# KiCad board SparkFun_IoT_RedBoard-RP2350_panelized.kicad_pcb (continued)
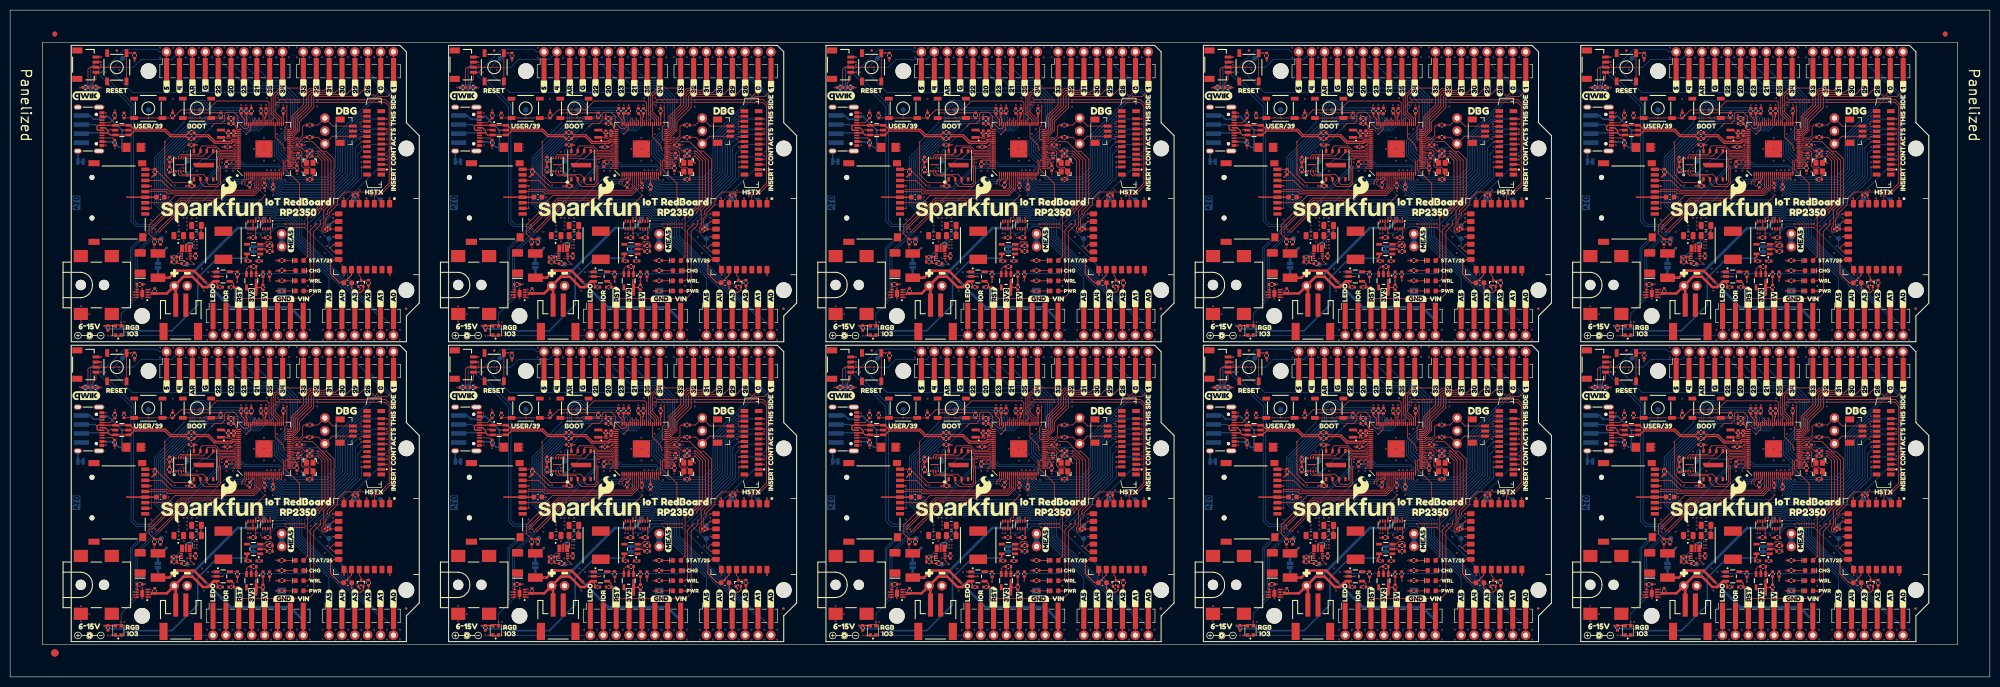
[diagram p0: board, top side]
## Placement (name value [footprint] x y rotation side) (continued)
kibuzzard-67A3F7B2#9  G***  [kibuzzard-67A3F7B2]  293.55 11.36 90 bottom
kibuzzard-67A3F7B2#10  G***  [kibuzzard-67A3F7B2]  293.55 70.48 90 bottom
kibuzzard-67A3F7C3  G***  [kibuzzard-67A3F7C3]  73.02 11.06 90 bottom
kibuzzard-67A3F7C3#2  G***  [kibuzzard-67A3F7C3]  73.02 70.18 90 bottom
kibuzzard-67A3F7C3#3  G***  [kibuzzard-67A3F7C3]  296.1 70.18 90 bottom
kibuzzard-67A3F7C3#4  G***  [kibuzzard-67A3F7C3]  370.46 70.18 90 bottom
kibuzzard-67A3F7C3#5  G***  [kibuzzard-67A3F7C3]  221.74 11.06 90 bottom
kibuzzard-67A3F7C3#6  G***  [kibuzzard-67A3F7C3]  147.38 11.06 90 bottom
kibuzzard-67A3F7C3#7  G***  [kibuzzard-67A3F7C3]  147.38 70.18 90 bottom
kibuzzard-67A3F7C3#8  G***  [kibuzzard-67A3F7C3]  296.1 11.06 90 bottom
kibuzzard-67A3F7C3#9  G***  [kibuzzard-67A3F7C3]  221.74 70.18 90 bottom
kibuzzard-67A3F7C3#10  G***  [kibuzzard-67A3F7C3]  370.46 11.06 90 bottom
kibuzzard-67A3F7D3  G***  [kibuzzard-67A3F7D3]  75.52 11.26 90 bottom
kibuzzard-67A3F7D3#2  G***  [kibuzzard-67A3F7D3]  224.24 70.38 90 bottom
kibuzzard-67A3F7D3#3  G***  [kibuzzard-67A3F7D3]  75.52 70.38 90 bottom
kibuzzard-67A3F7D3#4  G***  [kibuzzard-67A3F7D3]  149.88 70.38 90 bottom
kibuzzard-67A3F7D3#5  G***  [kibuzzard-67A3F7D3]  224.24 11.26 90 bottom
kibuzzard-67A3F7D3#6  G***  [kibuzzard-67A3F7D3]  149.88 11.26 90 bottom
kibuzzard-67A3F7D3#7  G***  [kibuzzard-67A3F7D3]  298.6 11.26 90 bottom
kibuzzard-67A3F7D3#8  G***  [kibuzzard-67A3F7D3]  298.6 70.38 90 bottom
kibuzzard-67A3F7D3#9  G***  [kibuzzard-67A3F7D3]  372.96 11.26 90 bottom
kibuzzard-67A3F7D3#10  G***  [kibuzzard-67A3F7D3]  372.96 70.38 90 bottom
kibuzzard-67A3F9C4  G***  [kibuzzard-67A3F9C4]  32.37 20.46 0 top
kibuzzard-67A3F9C4#2  G***  [kibuzzard-67A3F9C4]  106.73 79.58 0 top
kibuzzard-67A3F9C4#3  G***  [kibuzzard-67A3F9C4]  255.45 20.46 0 top
kibuzzard-67A3F9C4#4  G***  [kibuzzard-67A3F9C4]  32.37 79.58 0 top
kibuzzard-67A3F9C4#5  G***  [kibuzzard-67A3F9C4]  106.73 20.46 0 top
kibuzzard-67A3F9C4#6  G***  [kibuzzard-67A3F9C4]  181.09 20.46 0 top
kibuzzard-67A3F9C4#7  G***  [kibuzzard-67A3F9C4]  181.09 79.58 0 top
kibuzzard-67A3F9C4#8  G***  [kibuzzard-67A3F9C4]  329.81 79.58 0 top
kibuzzard-67A3F9C4#9  G***  [kibuzzard-67A3F9C4]  255.45 79.58 0 top
kibuzzard-67A3F9C4#10  G***  [kibuzzard-67A3F9C4]  329.81 20.46 0 top
kibuzzard-67A3F9DC  G***  [kibuzzard-67A3F9DC]  34.92 20.46 0 top
kibuzzard-67A3F9DC#2  G***  [kibuzzard-67A3F9DC]  109.28 20.46 0 top
kibuzzard-67A3F9DC#3  G***  [kibuzzard-67A3F9DC]  183.64 20.46 0 top
kibuzzard-67A3F9DC#4  G***  [kibuzzard-67A3F9DC]  34.92 79.58 0 top
kibuzzard-67A3F9DC#5  G***  [kibuzzard-67A3F9DC]  109.28 79.58 0 top
kibuzzard-67A3F9DC#6  G***  [kibuzzard-67A3F9DC]  183.64 79.58 0 top
kibuzzard-67A3F9DC#7  G***  [kibuzzard-67A3F9DC]  258 20.46 0 top
kibuzzard-67A3F9DC#8  G***  [kibuzzard-67A3F9DC]  332.36 20.46 0 top
kibuzzard-67A3F9DC#9  G***  [kibuzzard-67A3F9DC]  332.36 79.58 0 top
kibuzzard-67A3F9DC#10  G***  [kibuzzard-67A3F9DC]  258 79.58 0 top
kibuzzard-67A3F59C  G***  [kibuzzard-67A3F59C]  43.52 60.36 90 bottom
kibuzzard-67A3F59C#2  G***  [kibuzzard-67A3F59C]  192.24 60.36 90 bottom
kibuzzard-67A3F59C#3  G***  [kibuzzard-67A3F59C]  43.52 119.48 90 bottom
kibuzzard-67A3F59C#4  G***  [kibuzzard-67A3F59C]  117.88 60.36 90 bottom
kibuzzard-67A3F59C#5  G***  [kibuzzard-67A3F59C]  117.88 119.48 90 bottom
kibuzzard-67A3F59C#6  G***  [kibuzzard-67A3F59C]  340.96 119.48 90 bottom
kibuzzard-67A3F59C#7  G***  [kibuzzard-67A3F59C]  192.24 119.48 90 bottom
kibuzzard-67A3F59C#8  G***  [kibuzzard-67A3F59C]  340.96 60.36 90 bottom
kibuzzard-67A3F59C#9  G***  [kibuzzard-67A3F59C]  266.6 60.36 90 bottom
kibuzzard-67A3F59C#10  G***  [kibuzzard-67A3F59C]  266.6 119.48 90 bottom
kibuzzard-67A3F62C  G***  [kibuzzard-67A3F62C]  57.77 62.06 90 bottom
kibuzzard-67A3F62C#2  G***  [kibuzzard-67A3F62C]  280.85 121.18 90 bottom
kibuzzard-67A3F62C#3  G***  [kibuzzard-67A3F62C]  132.13 121.18 90 bottom
kibuzzard-67A3F62C#4  G***  [kibuzzard-67A3F62C]  57.77 121.18 90 bottom
kibuzzard-67A3F62C#5  G***  [kibuzzard-67A3F62C]  280.85 62.06 90 bottom
kibuzzard-67A3F62C#6  G***  [kibuzzard-67A3F62C]  132.13 62.06 90 bottom
kibuzzard-67A3F62C#7  G***  [kibuzzard-67A3F62C]  206.49 62.06 90 bottom
kibuzzard-67A3F62C#8  G***  [kibuzzard-67A3F62C]  206.49 121.18 90 bottom
kibuzzard-67A3F62C#9  G***  [kibuzzard-67A3F62C]  355.21 62.06 90 bottom
kibuzzard-67A3F62C#10  G***  [kibuzzard-67A3F62C]  355.21 121.18 90 bottom
kibuzzard-67A3F63E  G***  [kibuzzard-67A3F63E]  65.37 62.06 90 bottom
kibuzzard-67A3F63E#2  G***  [kibuzzard-67A3F63E]  139.73 121.18 90 bottom
kibuzzard-67A3F63E#3  G***  [kibuzzard-67A3F63E]  288.45 62.06 90 bottom
kibuzzard-67A3F63E#4  G***  [kibuzzard-67A3F63E]  214.09 121.18 90 bottom
kibuzzard-67A3F63E#5  G***  [kibuzzard-67A3F63E]  65.37 121.18 90 bottom
kibuzzard-67A3F63E#6  G***  [kibuzzard-67A3F63E]  139.73 62.06 90 bottom
kibuzzard-67A3F63E#7  G***  [kibuzzard-67A3F63E]  214.09 62.06 90 bottom
kibuzzard-67A3F63E#8  G***  [kibuzzard-67A3F63E]  288.45 121.18 90 bottom
kibuzzard-67A3F63E#9  G***  [kibuzzard-67A3F63E]  362.81 62.06 90 bottom
kibuzzard-67A3F63E#10  G***  [kibuzzard-67A3F63E]  362.81 121.18 90 bottom
kibuzzard-67A3F64D  G***  [kibuzzard-67A3F64D]  70.47 62.06 90 bottom
kibuzzard-67A3F64D#2  G***  [kibuzzard-67A3F64D]  70.47 121.18 90 bottom
kibuzzard-67A3F64D#3  G***  [kibuzzard-67A3F64D]  144.83 62.06 90 bottom
kibuzzard-67A3F64D#4  G***  [kibuzzard-67A3F64D]  293.55 121.18 90 bottom
kibuzzard-67A3F64D#5  G***  [kibuzzard-67A3F64D]  367.91 62.06 90 bottom
kibuzzard-67A3F64D#6  G***  [kibuzzard-67A3F64D]  367.91 121.18 90 bottom
kibuzzard-67A3F64D#7  G***  [kibuzzard-67A3F64D]  144.83 121.18 90 bottom
kibuzzard-67A3F64D#8  G***  [kibuzzard-67A3F64D]  219.19 62.06 90 bottom
kibuzzard-67A3F64D#9  G***  [kibuzzard-67A3F64D]  219.19 121.18 90 bottom
kibuzzard-67A3F64D#10  G***  [kibuzzard-67A3F64D]  293.55 62.06 90 bottom
kibuzzard-67A3F71F  G***  [kibuzzard-67A3F71F]  45.07 11.56 90 bottom
kibuzzard-67A3F71F#2  G***  [kibuzzard-67A3F71F]  119.43 70.68 90 bottom
kibuzzard-67A3F71F#3  G***  [kibuzzard-67A3F71F]  193.79 70.68 90 bottom
kibuzzard-67A3F71F#4  G***  [kibuzzard-67A3F71F]  45.07 70.68 90 bottom
kibuzzard-67A3F71F#5  G***  [kibuzzard-67A3F71F]  119.43 11.56 90 bottom
kibuzzard-67A3F71F#6  G***  [kibuzzard-67A3F71F]  193.79 11.56 90 bottom
kibuzzard-67A3F71F#7  G***  [kibuzzard-67A3F71F]  268.15 11.56 90 bottom
kibuzzard-67A3F71F#8  G***  [kibuzzard-67A3F71F]  342.51 70.68 90 bottom
kibuzzard-67A3F71F#9  G***  [kibuzzard-67A3F71F]  268.15 70.68 90 bottom
kibuzzard-67A3F71F#10  G***  [kibuzzard-67A3F71F]  342.51 11.56 90 bottom
kibuzzard-67A3F72C  G***  [kibuzzard-67A3F72C]  47.62 10.46 90 bottom
kibuzzard-67A3F72C#2  G***  [kibuzzard-67A3F72C]  196.34 69.58 90 bottom
kibuzzard-67A3F72C#3  G***  [kibuzzard-67A3F72C]  345.06 10.46 90 bottom
kibuzzard-67A3F72C#4  G***  [kibuzzard-67A3F72C]  121.98 69.58 90 bottom
kibuzzard-67A3F72C#5  G***  [kibuzzard-67A3F72C]  196.34 10.46 90 bottom
kibuzzard-67A3F72C#6  G***  [kibuzzard-67A3F72C]  47.62 69.58 90 bottom
kibuzzard-67A3F72C#7  G***  [kibuzzard-67A3F72C]  121.98 10.46 90 bottom
kibuzzard-67A3F72C#8  G***  [kibuzzard-67A3F72C]  270.7 10.46 90 bottom
kibuzzard-67A3F72C#9  G***  [kibuzzard-67A3F72C]  270.7 69.58 90 bottom
kibuzzard-67A3F72C#10  G***  [kibuzzard-67A3F72C]  345.06 69.58 90 bottom
kibuzzard-67A3F73E  G***  [kibuzzard-67A3F73E]  50.12 10.06 90 bottom
kibuzzard-67A3F73E#2  G***  [kibuzzard-67A3F73E]  50.12 69.18 90 bottom
kibuzzard-67A3F73E#3  G***  [kibuzzard-67A3F73E]  273.2 10.06 90 bottom
kibuzzard-67A3F73E#4  G***  [kibuzzard-67A3F73E]  124.48 10.06 90 bottom
kibuzzard-67A3F73E#5  G***  [kibuzzard-67A3F73E]  124.48 69.18 90 bottom
kibuzzard-67A3F73E#6  G***  [kibuzzard-67A3F73E]  198.84 69.18 90 bottom
kibuzzard-67A3F73E#7  G***  [kibuzzard-67A3F73E]  198.84 10.06 90 bottom
kibuzzard-67A3F73E#8  G***  [kibuzzard-67A3F73E]  273.2 69.18 90 bottom
kibuzzard-67A3F73E#9  G***  [kibuzzard-67A3F73E]  347.56 10.06 90 bottom
kibuzzard-67A3F73E#10  G***  [kibuzzard-67A3F73E]  347.56 69.18 90 bottom
kibuzzard-67A3F74E  G***  [kibuzzard-67A3F74E]  52.67 10.56 90 bottom
kibuzzard-67A3F74E#2  G***  [kibuzzard-67A3F74E]  52.67 69.68 90 bottom
kibuzzard-67A3F74E#3  G***  [kibuzzard-67A3F74E]  275.75 69.68 90 bottom
kibuzzard-67A3F74E#4  G***  [kibuzzard-67A3F74E]  350.11 10.56 90 bottom
kibuzzard-67A3F74E#5  G***  [kibuzzard-67A3F74E]  127.03 69.68 90 bottom
kibuzzard-67A3F74E#6  G***  [kibuzzard-67A3F74E]  201.39 10.56 90 bottom
kibuzzard-67A3F74E#7  G***  [kibuzzard-67A3F74E]  201.39 69.68 90 bottom
kibuzzard-67A3F74E#8  G***  [kibuzzard-67A3F74E]  127.03 10.56 90 bottom
kibuzzard-67A3F74E#9  G***  [kibuzzard-67A3F74E]  275.75 10.56 90 bottom
kibuzzard-67A3F74E#10  G***  [kibuzzard-67A3F74E]  350.11 69.68 90 bottom
kibuzzard-67A3F78A  G***  [kibuzzard-67A3F78A]  62.82 11.36 90 bottom
kibuzzard-67A3F78A#2  G***  [kibuzzard-67A3F78A]  137.18 70.48 90 bottom
kibuzzard-67A3F78A#3  G***  [kibuzzard-67A3F78A]  62.82 70.48 90 bottom
kibuzzard-67A3F78A#4  G***  [kibuzzard-67A3F78A]  137.18 11.36 90 bottom
kibuzzard-67A3F78A#5  G***  [kibuzzard-67A3F78A]  285.9 70.48 90 bottom
kibuzzard-67A3F78A#6  G***  [kibuzzard-67A3F78A]  360.26 70.48 90 bottom
kibuzzard-67A3F78A#7  G***  [kibuzzard-67A3F78A]  360.26 11.36 90 bottom
kibuzzard-67A3F78A#8  G***  [kibuzzard-67A3F78A]  285.9 11.36 90 bottom
kibuzzard-67A3F78A#9  G***  [kibuzzard-67A3F78A]  211.54 11.36 90 bottom
kibuzzard-67A3F78A#10  G***  [kibuzzard-67A3F78A]  211.54 70.48 90 bottom
kibuzzard-67A3F532  G***  [kibuzzard-67A3F532]  33.37 60.76 90 bottom
kibuzzard-67A3F532#2  G***  [kibuzzard-67A3F532]  107.73 119.88 90 bottom
kibuzzard-67A3F532#3  G***  [kibuzzard-67A3F532]  33.37 119.88 90 bottom
kibuzzard-67A3F532#4  G***  [kibuzzard-67A3F532]  107.73 60.76 90 bottom
kibuzzard-67A3F532#5  G***  [kibuzzard-67A3F532]  256.45 60.76 90 bottom
kibuzzard-67A3F532#6  G***  [kibuzzard-67A3F532]  330.81 60.76 90 bottom
kibuzzard-67A3F532#7  G***  [kibuzzard-67A3F532]  256.45 119.88 90 bottom
kibuzzard-67A3F532#8  G***  [kibuzzard-67A3F532]  330.81 119.88 90 bottom
kibuzzard-67A3F532#9  G***  [kibuzzard-67A3F532]  182.09 119.88 90 bottom
kibuzzard-67A3F532#10  G***  [kibuzzard-67A3F532]  182.09 60.76 90 bottom
kibuzzard-67A3F552  G***  [kibuzzard-67A3F552]  35.92 61.36 90 bottom
kibuzzard-67A3F552#2  G***  [kibuzzard-67A3F552]  35.92 120.48 90 bottom
kibuzzard-67A3F552#3  G***  [kibuzzard-67A3F552]  184.64 120.48 90 bottom
kibuzzard-67A3F552#4  G***  [kibuzzard-67A3F552]  110.28 61.36 90 bottom
kibuzzard-67A3F552#5  G***  [kibuzzard-67A3F552]  110.28 120.48 90 bottom
kibuzzard-67A3F552#6  G***  [kibuzzard-67A3F552]  184.64 61.36 90 bottom
kibuzzard-67A3F552#7  G***  [kibuzzard-67A3F552]  259 61.36 90 bottom
kibuzzard-67A3F552#8  G***  [kibuzzard-67A3F552]  259 120.48 90 bottom
kibuzzard-67A3F552#9  G***  [kibuzzard-67A3F552]  333.36 61.36 90 bottom
kibuzzard-67A3F552#10  G***  [kibuzzard-67A3F552]  333.36 120.48 90 bottom
kibuzzard-67A3F565  G***  [kibuzzard-67A3F565]  38.47 61.76 90 bottom
kibuzzard-67A3F565#2  G***  [kibuzzard-67A3F565]  187.19 120.88 90 bottom
kibuzzard-67A3F565#3  G***  [kibuzzard-67A3F565]  112.83 120.88 90 bottom
kibuzzard-67A3F565#4  G***  [kibuzzard-67A3F565]  261.55 61.76 90 bottom
kibuzzard-67A3F565#5  G***  [kibuzzard-67A3F565]  335.91 61.76 90 bottom
kibuzzard-67A3F565#6  G***  [kibuzzard-67A3F565]  261.55 120.88 90 bottom
kibuzzard-67A3F565#7  G***  [kibuzzard-67A3F565]  112.83 61.76 90 bottom
kibuzzard-67A3F565#8  G***  [kibuzzard-67A3F565]  187.19 61.76 90 bottom
kibuzzard-67A3F565#9  G***  [kibuzzard-67A3F565]  335.91 120.88 90 bottom
kibuzzard-67A3F565#10  G***  [kibuzzard-67A3F565]  38.47 120.88 90 bottom
kibuzzard-67A3F577  G***  [kibuzzard-67A3F577]  40.97 60.56 90 bottom
kibuzzard-67A3F577#2  G***  [kibuzzard-67A3F577]  115.33 119.68 90 bottom
kibuzzard-67A3F577#3  G***  [kibuzzard-67A3F577]  189.69 119.68 90 bottom
kibuzzard-67A3F577#4  G***  [kibuzzard-67A3F577]  40.97 119.68 90 bottom
kibuzzard-67A3F577#5  G***  [kibuzzard-67A3F577]  338.41 60.56 90 bottom
kibuzzard-67A3F577#6  G***  [kibuzzard-67A3F577]  115.33 60.56 90 bottom
kibuzzard-67A3F577#7  G***  [kibuzzard-67A3F577]  189.69 60.56 90 bottom
kibuzzard-67A3F577#8  G***  [kibuzzard-67A3F577]  264.05 119.68 90 bottom
kibuzzard-67A3F577#9  G***  [kibuzzard-67A3F577]  264.05 60.56 90 bottom
kibuzzard-67A3F577#10  G***  [kibuzzard-67A3F577]  338.41 119.68 90 bottom
kibuzzard-67A3F625  G***  [kibuzzard-67A3F625]  53.67 62.06 90 bottom
kibuzzard-67A3F625#2  G***  [kibuzzard-67A3F625]  128.03 62.06 90 bottom
kibuzzard-67A3F625#3  G***  [kibuzzard-67A3F625]  53.67 121.18 90 bottom
kibuzzard-67A3F625#4  G***  [kibuzzard-67A3F625]  276.75 121.18 90 bottom
kibuzzard-67A3F625#5  G***  [kibuzzard-67A3F625]  351.11 121.18 90 bottom
kibuzzard-67A3F625#6  G***  [kibuzzard-67A3F625]  128.03 121.18 90 bottom
kibuzzard-67A3F625#7  G***  [kibuzzard-67A3F625]  202.39 62.06 90 bottom
kibuzzard-67A3F625#8  G***  [kibuzzard-67A3F625]  202.39 121.18 90 bottom
kibuzzard-67A3F625#9  G***  [kibuzzard-67A3F625]  276.75 62.06 90 bottom
kibuzzard-67A3F625#10  G***  [kibuzzard-67A3F625]  351.11 62.06 90 bottom
kibuzzard-67A3F633  G***  [kibuzzard-67A3F633]  60.27 62.06 90 bottom
kibuzzard-67A3F633#2  G***  [kibuzzard-67A3F633]  134.63 62.06 90 bottom
kibuzzard-67A3F633#3  G***  [kibuzzard-67A3F633]  208.99 62.06 90 bottom
kibuzzard-67A3F633#4  G***  [kibuzzard-67A3F633]  60.27 121.18 90 bottom
kibuzzard-67A3F633#5  G***  [kibuzzard-67A3F633]  134.63 121.18 90 bottom
kibuzzard-67A3F633#6  G***  [kibuzzard-67A3F633]  283.35 121.18 90 bottom
kibuzzard-67A3F633#7  G***  [kibuzzard-67A3F633]  357.71 62.06 90 bottom
kibuzzard-67A3F633#8  G***  [kibuzzard-67A3F633]  208.99 121.18 90 bottom
kibuzzard-67A3F633#9  G***  [kibuzzard-67A3F633]  283.35 62.06 90 bottom
kibuzzard-67A3F633#10  G***  [kibuzzard-67A3F633]  357.71 121.18 90 bottom
kibuzzard-67A3F639  G***  [kibuzzard-67A3F639]  62.87 62.06 90 bottom
kibuzzard-67A3F639#2  G***  [kibuzzard-67A3F639]  137.23 121.18 90 bottom
kibuzzard-67A3F639#3  G***  [kibuzzard-67A3F639]  285.95 62.06 90 bottom
kibuzzard-67A3F639#4  G***  [kibuzzard-67A3F639]  360.31 62.06 90 bottom
kibuzzard-67A3F639#5  G***  [kibuzzard-67A3F639]  62.87 121.18 90 bottom
kibuzzard-67A3F639#6  G***  [kibuzzard-67A3F639]  211.59 62.06 90 bottom
kibuzzard-67A3F639#7  G***  [kibuzzard-67A3F639]  137.23 62.06 90 bottom
kibuzzard-67A3F639#8  G***  [kibuzzard-67A3F639]  211.59 121.18 90 bottom
kibuzzard-67A3F639#9  G***  [kibuzzard-67A3F639]  285.95 121.18 90 bottom
kibuzzard-67A3F639#10  G***  [kibuzzard-67A3F639]  360.31 121.18 90 bottom
kibuzzard-67A3F646  G***  [kibuzzard-67A3F646]  67.92 62.06 90 bottom
kibuzzard-67A3F646#2  G***  [kibuzzard-67A3F646]  216.64 62.06 90 bottom
kibuzzard-67A3F646#3  G***  [kibuzzard-67A3F646]  67.92 121.18 90 bottom
kibuzzard-67A3F646#4  G***  [kibuzzard-67A3F646]  142.28 121.18 90 bottom
kibuzzard-67A3F646#5  G***  [kibuzzard-67A3F646]  142.28 62.06 90 bottom
kibuzzard-67A3F646#6  G***  [kibuzzard-67A3F646]  216.64 121.18 90 bottom
kibuzzard-67A3F646#7  G***  [kibuzzard-67A3F646]  291 121.18 90 bottom
kibuzzard-67A3F646#8  G***  [kibuzzard-67A3F646]  291 62.06 90 bottom
kibuzzard-67A3F646#9  G***  [kibuzzard-67A3F646]  365.36 121.18 90 bottom
kibuzzard-67A3F646#10  G***  [kibuzzard-67A3F646]  365.36 62.06 90 bottom
kibuzzard-67A3F657  G***  [kibuzzard-67A3F657]  72.97 60.86 90 bottom
kibuzzard-67A3F657#2  G***  [kibuzzard-67A3F657]  147.33 119.98 90 bottom
kibuzzard-67A3F657#3  G***  [kibuzzard-67A3F657]  221.69 119.98 90 bottom
kibuzzard-67A3F657#4  G***  [kibuzzard-67A3F657]  296.05 119.98 90 bottom
kibuzzard-67A3F657#5  G***  [kibuzzard-67A3F657]  72.97 119.98 90 bottom
kibuzzard-67A3F657#6  G***  [kibuzzard-67A3F657]  147.33 60.86 90 bottom
kibuzzard-67A3F657#7  G***  [kibuzzard-67A3F657]  221.69 60.86 90 bottom
kibuzzard-67A3F657#8  G***  [kibuzzard-67A3F657]  296.05 60.86 90 bottom
kibuzzard-67A3F657#9  G***  [kibuzzard-67A3F657]  370.41 60.86 90 bottom
kibuzzard-67A3F657#10  G***  [kibuzzard-67A3F657]  370.41 119.98 90 bottom
kibuzzard-67A3F666  G***  [kibuzzard-67A3F666]  75.52 61.06 90 bottom
kibuzzard-67A3F666#2  G***  [kibuzzard-67A3F666]  149.88 61.06 90 bottom
kibuzzard-67A3F666#3  G***  [kibuzzard-67A3F666]  224.24 61.06 90 bottom
kibuzzard-67A3F666#4  G***  [kibuzzard-67A3F666]  75.52 120.18 90 bottom
kibuzzard-67A3F666#5  G***  [kibuzzard-67A3F666]  149.88 120.18 90 bottom
kibuzzard-67A3F666#6  G***  [kibuzzard-67A3F666]  224.24 120.18 90 bottom
kibuzzard-67A3F666#7  G***  [kibuzzard-67A3F666]  372.96 61.06 90 bottom
kibuzzard-67A3F666#8  G***  [kibuzzard-67A3F666]  372.96 120.18 90 bottom
kibuzzard-67A3F666#9  G***  [kibuzzard-67A3F666]  298.6 120.18 90 bottom
kibuzzard-67A3F666#10  G***  [kibuzzard-67A3F666]  298.6 61.06 90 bottom
kibuzzard-67A3F682  G***  [kibuzzard-67A3F682]  65.22 51.06 180 bottom
kibuzzard-67A3F682#2  G***  [kibuzzard-67A3F682]  139.58 110.18 180 bottom
kibuzzard-67A3F682#3  G***  [kibuzzard-67A3F682]  139.58 51.06 180 bottom
kibuzzard-67A3F682#4  G***  [kibuzzard-67A3F682]  65.22 110.18 180 bottom
kibuzzard-67A3F682#5  G***  [kibuzzard-67A3F682]  362.66 110.18 180 bottom
kibuzzard-67A3F682#6  G***  [kibuzzard-67A3F682]  288.3 110.18 180 bottom
kibuzzard-67A3F682#7  G***  [kibuzzard-67A3F682]  362.66 51.06 180 bottom
kibuzzard-67A3F682#8  G***  [kibuzzard-67A3F682]  213.94 110.18 180 bottom
kibuzzard-67A3F682#9  G***  [kibuzzard-67A3F682]  213.94 51.06 180 bottom
kibuzzard-67A3F682#10  G***  [kibuzzard-67A3F682]  288.3 51.06 180 bottom
kibuzzard-67A3F699  G***  [kibuzzard-67A3F699]  64.22 48.46 180 bottom
kibuzzard-67A3F699#2  G***  [kibuzzard-67A3F699]  64.22 107.58 180 bottom
kibuzzard-67A3F699#3  G***  [kibuzzard-67A3F699]  138.58 48.46 180 bottom
kibuzzard-67A3F699#4  G***  [kibuzzard-67A3F699]  361.66 107.58 180 bottom
kibuzzard-67A3F699#5  G***  [kibuzzard-67A3F699]  212.94 107.58 180 bottom
kibuzzard-67A3F699#6  G***  [kibuzzard-67A3F699]  287.3 107.58 180 bottom
kibuzzard-67A3F699#7  G***  [kibuzzard-67A3F699]  212.94 48.46 180 bottom
kibuzzard-67A3F699#8  G***  [kibuzzard-67A3F699]  361.66 48.46 180 bottom
kibuzzard-67A3F699#9  G***  [kibuzzard-67A3F699]  287.3 48.46 180 bottom
kibuzzard-67A3F699#10  G***  [kibuzzard-67A3F699]  138.58 107.58 180 bottom
kibuzzard-67A3F769  G***  [kibuzzard-67A3F769]  55.17 10.56 90 bottom
kibuzzard-67A3F769#2  G***  [kibuzzard-67A3F769]  55.17 69.68 90 bottom
kibuzzard-67A3F769#3  G***  [kibuzzard-67A3F769]  203.89 69.68 90 bottom
kibuzzard-67A3F769#4  G***  [kibuzzard-67A3F769]  129.53 69.68 90 bottom
kibuzzard-67A3F769#5  G***  [kibuzzard-67A3F769]  129.53 10.56 90 bottom
kibuzzard-67A3F769#6  G***  [kibuzzard-67A3F769]  278.25 10.56 90 bottom
kibuzzard-67A3F769#7  G***  [kibuzzard-67A3F769]  278.25 69.68 90 bottom
kibuzzard-67A3F769#8  G***  [kibuzzard-67A3F769]  203.89 10.56 90 bottom
kibuzzard-67A3F769#9  G***  [kibuzzard-67A3F769]  352.61 69.68 90 bottom
kibuzzard-67A3F769#10  G***  [kibuzzard-67A3F769]  352.61 10.56 90 bottom
kibuzzard-67A3F773  G***  [kibuzzard-67A3F773]  57.77 10.36 90 bottom
kibuzzard-67A3F773#2  G***  [kibuzzard-67A3F773]  57.77 69.48 90 bottom
kibuzzard-67A3F773#3  G***  [kibuzzard-67A3F773]  132.13 69.48 90 bottom
kibuzzard-67A3F773#4  G***  [kibuzzard-67A3F773]  132.13 10.36 90 bottom
kibuzzard-67A3F773#5  G***  [kibuzzard-67A3F773]  355.21 69.48 90 bottom
kibuzzard-67A3F773#6  G***  [kibuzzard-67A3F773]  280.85 10.36 90 bottom
kibuzzard-67A3F773#7  G***  [kibuzzard-67A3F773]  355.21 10.36 90 bottom
kibuzzard-67A3F773#8  G***  [kibuzzard-67A3F773]  206.49 10.36 90 bottom
kibuzzard-67A3F773#9  G***  [kibuzzard-67A3F773]  206.49 69.48 90 bottom
kibuzzard-67A3F773#10  G***  [kibuzzard-67A3F773]  280.85 69.48 90 bottom
kibuzzard-67A3F799  G***  [kibuzzard-67A3F799]  65.37 11.36 90 bottom
kibuzzard-67A3F799#2  G***  [kibuzzard-67A3F799]  65.37 70.48 90 bottom
kibuzzard-67A3F799#3  G***  [kibuzzard-67A3F799]  288.45 11.36 90 bottom
kibuzzard-67A3F799#4  G***  [kibuzzard-67A3F799]  362.81 11.36 90 bottom
kibuzzard-67A3F799#5  G***  [kibuzzard-67A3F799]  214.09 70.48 90 bottom
kibuzzard-67A3F799#6  G***  [kibuzzard-67A3F799]  139.73 11.36 90 bottom
kibuzzard-67A3F799#7  G***  [kibuzzard-67A3F799]  139.73 70.48 90 bottom
kibuzzard-67A3F799#8  G***  [kibuzzard-67A3F799]  214.09 11.36 90 bottom
kibuzzard-67A3F799#9  G***  [kibuzzard-67A3F799]  288.45 70.48 90 bottom
kibuzzard-67A3F799#10  G***  [kibuzzard-67A3F799]  362.81 70.48 90 bottom
kibuzzard-67A657F3  G***  [kibuzzard-67A657F3]  15.62 9.96 0 top
kibuzzard-67A657F3#2  G***  [kibuzzard-67A657F3]  313.06 9.96 0 top
kibuzzard-67A657F3#3  G***  [kibuzzard-67A657F3]  313.06 69.08 0 top
kibuzzard-67A657F3#4  G***  [kibuzzard-67A657F3]  238.7 9.96 0 top
kibuzzard-67A657F3#5  G***  [kibuzzard-67A657F3]  164.34 9.96 0 top
kibuzzard-67A657F3#6  G***  [kibuzzard-67A657F3]  238.7 69.08 0 top
kibuzzard-67A657F3#7  G***  [kibuzzard-67A657F3]  15.62 69.08 0 top
kibuzzard-67A657F3#8  G***  [kibuzzard-67A657F3]  89.98 69.08 0 top
kibuzzard-67A657F3#9  G***  [kibuzzard-67A657F3]  164.34 69.08 0 top
kibuzzard-67A657F3#10  G***  [kibuzzard-67A657F3]  89.98 9.96 0 top
kibuzzard-67A657FD  G***  [kibuzzard-67A657FD]  21.02 18.11 90 bottom
kibuzzard-67A657FD#2  G***  [kibuzzard-67A657FD]  318.46 18.11 90 bottom
kibuzzard-67A657FD#3  G***  [kibuzzard-67A657FD]  318.46 77.23 90 bottom
kibuzzard-67A657FD#4  G***  [kibuzzard-67A657FD]  21.02 77.23 90 bottom
kibuzzard-67A657FD#5  G***  [kibuzzard-67A657FD]  244.1 18.11 90 bottom
kibuzzard-67A657FD#6  G***  [kibuzzard-67A657FD]  95.38 77.23 90 bottom
kibuzzard-67A657FD#7  G***  [kibuzzard-67A657FD]  169.74 18.11 90 bottom
kibuzzard-67A657FD#8  G***  [kibuzzard-67A657FD]  95.38 18.11 90 bottom
kibuzzard-67A657FD#9  G***  [kibuzzard-67A657FD]  169.74 77.23 90 bottom
kibuzzard-67A657FD#10  G***  [kibuzzard-67A657FD]  244.1 77.23 90 bottom
kibuzzard-6761DE89  G***  [kibuzzard-6761DE89]  111.18 49.46 0 top
kibuzzard-6761DE89#2  G***  [kibuzzard-6761DE89]  185.54 49.46 0 top
kibuzzard-6761DE89#3  G***  [kibuzzard-6761DE89]  259.9 108.58 0 top
kibuzzard-6761DE89#4  G***  [kibuzzard-6761DE89]  334.26 108.58 0 top
kibuzzard-6761DE89#5  G***  [kibuzzard-6761DE89]  185.54 108.58 0 top
kibuzzard-6761DE89#6  G***  [kibuzzard-6761DE89]  334.26 49.46 0 top
kibuzzard-6761DE89#7  G***  [kibuzzard-6761DE89]  111.18 108.58 0 top
kibuzzard-6761DE89#8  G***  [kibuzzard-6761DE89]  259.9 49.46 0 top
kibuzzard-6761DE89#9  G***  [kibuzzard-6761DE89]  36.82 108.58 0 top
kibuzzard-6761DE89#10  G***  [kibuzzard-6761DE89]  36.82 49.46 0 top
kibuzzard-6761DE91  G***  [kibuzzard-6761DE91]  21.02 56.46 0 top
kibuzzard-6761DE91#2  G***  [kibuzzard-6761DE91]  244.1 56.46 0 top
kibuzzard-6761DE91#3  G***  [kibuzzard-6761DE91]  95.38 115.58 0 top
kibuzzard-6761DE91#4  G***  [kibuzzard-6761DE91]  169.74 56.46 0 top
kibuzzard-6761DE91#5  G***  [kibuzzard-6761DE91]  21.02 115.58 0 top
kibuzzard-6761DE91#6  G***  [kibuzzard-6761DE91]  95.38 56.46 0 top
kibuzzard-6761DE91#7  G***  [kibuzzard-6761DE91]  169.74 115.58 0 top
kibuzzard-6761DE91#8  G***  [kibuzzard-6761DE91]  244.1 115.58 0 top
kibuzzard-6761DE91#9  G***  [kibuzzard-6761DE91]  318.46 115.58 0 top
kibuzzard-6761DE91#10  G***  [kibuzzard-6761DE91]  318.46 56.46 0 top
kibuzzard-6765AF34  G***  [kibuzzard-6765AF34]  42.52 16.01 90 top
kibuzzard-6765AF34#2  G***  [kibuzzard-6765AF34]  42.52 75.13 90 top
kibuzzard-6765AF34#3  G***  [kibuzzard-6765AF34]  116.88 75.13 90 top
kibuzzard-6765AF34#4  G***  [kibuzzard-6765AF34]  116.88 16.01 90 top
kibuzzard-6765AF34#5  G***  [kibuzzard-6765AF34]  339.96 75.13 90 top
kibuzzard-6765AF34#6  G***  [kibuzzard-6765AF34]  265.6 75.13 90 top
kibuzzard-6765AF34#7  G***  [kibuzzard-6765AF34]  265.6 16.01 90 top
kibuzzard-6765AF34#8  G***  [kibuzzard-6765AF34]  339.96 16.01 90 top
kibuzzard-6765AF34#9  G***  [kibuzzard-6765AF34]  191.24 75.13 90 top
kibuzzard-6765AF34#10  G***  [kibuzzard-6765AF34]  191.24 16.01 90 top
kibuzzard-6765AF51  G***  [kibuzzard-6765AF51]  188.64 75.73 90 top
kibuzzard-6765AF51#2  G***  [kibuzzard-6765AF51]  39.92 75.73 90 top
kibuzzard-6765AF51#3  G***  [kibuzzard-6765AF51]  114.28 16.61 90 top
kibuzzard-6765AF51#4  G***  [kibuzzard-6765AF51]  114.28 75.73 90 top
kibuzzard-6765AF51#5  G***  [kibuzzard-6765AF51]  188.64 16.61 90 top
kibuzzard-6765AF51#6  G***  [kibuzzard-6765AF51]  263 16.61 90 top
kibuzzard-6765AF51#7  G***  [kibuzzard-6765AF51]  337.36 16.61 90 top
kibuzzard-6765AF51#8  G***  [kibuzzard-6765AF51]  337.36 75.73 90 top
kibuzzard-6765AF51#9  G***  [kibuzzard-6765AF51]  263 75.73 90 top
kibuzzard-6765AF51#10  G***  [kibuzzard-6765AF51]  39.92 16.61 90 top
kibuzzard-6765B674  G***  [kibuzzard-6765B674]  61.17 22.96 0 top
kibuzzard-6765B674#2  G***  [kibuzzard-6765B674]  61.17 82.08 0 top
kibuzzard-6765B674#3  G***  [kibuzzard-6765B674]  284.25 82.08 0 top
kibuzzard-6765B674#4  G***  [kibuzzard-6765B674]  135.53 22.96 0 top
